# KiCad board panel.opm-inline.kicad_pcb (continued)
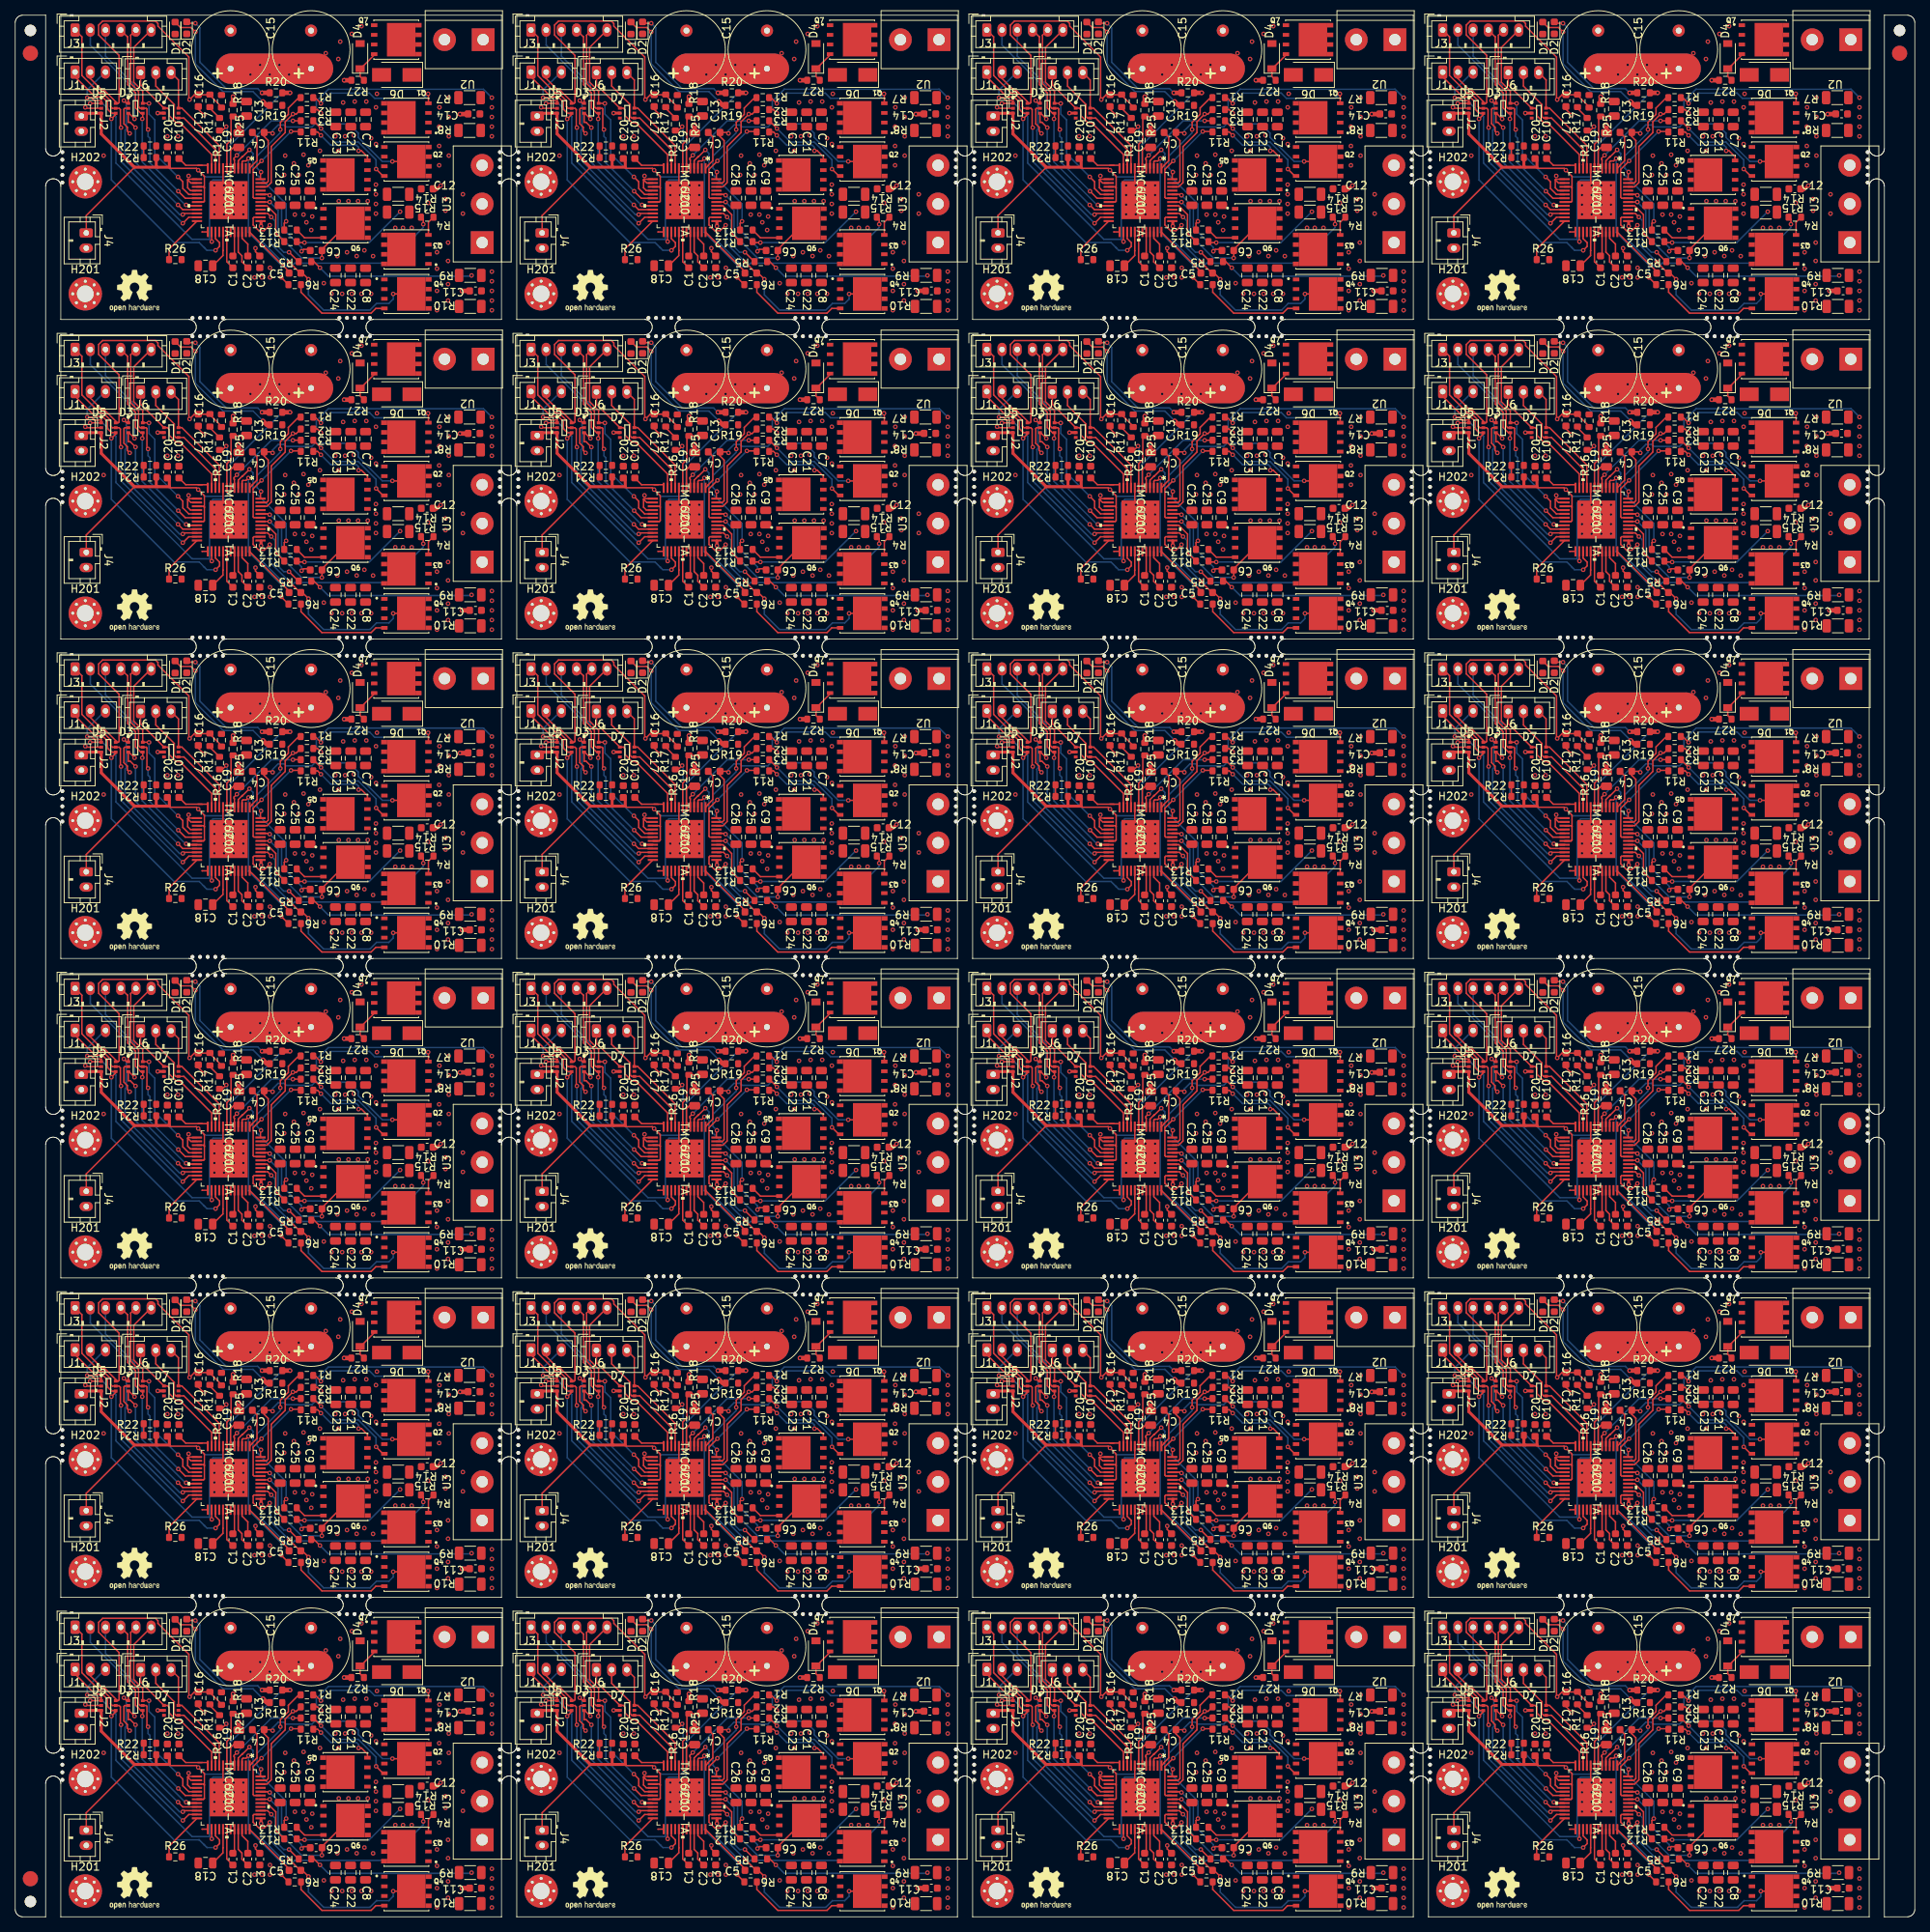
[diagram p0: board, top side]
## Copper pours and planes (outline as drawn; the poured copper is in the pictures) (continued)
Board_5-GND on In1.Cu: 123.23,168.32 66.08,168.32 66.08,207.69 123.23,207.69
Board_5-Net-(C4-Pad1) on Top: 118.95,186.46 110.06,186.46 110.12,190.58 113.74,190.65 113.74,195.73 115.2,195.66 115.2,198.2 119.01,198.2
Board_5-Net-(C4-Pad1) on Bottom: 118.95,186.46 110.06,186.46 110.12,190.58 113.74,190.65 113.74,195.73 115.2,195.66 115.2,198.2 119.01,198.2
Board_5-Net-(C5-Pad2) on Top: 119.08,168.3 109.93,168.3 109.93,173.76 113.74,173.76 113.74,178.46 115.14,178.46 115.14,180.62 119.08,180.62
Board_5-Net-(C5-Pad2) on Bottom: 119.08,168.3 109.93,168.3 109.93,173.76 113.74,173.76 113.74,178.46 115.14,178.46 115.14,180.62 119.08,180.62
Board_5-Net-(C6-Pad1) on Top: 107.14,187.35 107.77,187.35 107.77,185.7 109.55,185.7 109.55,181 107.27,181 107.27,178.46 101.68,178.46 101.68,184.04 105.49,184.04 105.49,188.24 107.14,188.24
Board_5-Net-(C6-Pad1) on Bottom: 107.14,187.35 107.77,187.35 107.77,185.7 109.55,185.7 109.55,181 107.27,181 107.27,178.46 101.68,178.46 101.68,184.04 105.49,184.04 105.49,188.24 107.14,188.24
Board_5-Net-(D6-Pad2) on Top: 118.82,201.82 111.61,201.82 110.31,201.32 110.31,198.65 106.63,198.65 106.63,201.32 107.77,202.03 107.77,207.16 118.82,207.16
Board_6-/+VM on Top: 167.85,203.35 165.82,203.35 160.74,199.16 158.2,200.43 157.69,202.33 165.06,207.29 167.85,207.29
Board_6-/+VM on Top: 173.31,191.79 167.72,191.79 167.72,194.59 160.48,194.59 160.48,198.27 173.31,198.27
Board_6-/+VM on Top: 173.06,174.14 160.99,174.14 160.99,177.82 167.6,177.95 167.6,180.74 173.06,180.62
Board_6-/+VM on Top: 154.1,173 149.74,173 149.74,175.54 154.1,175.54
Board_6-/+VM on Top: 165.09,184.43 153.37,184.43 153.37,190.78 165.09,190.78
Board_6-/+VM on Bottom: 165.09,184.43 153.37,184.43 153.37,190.78 165.09,190.78
Board_6-/+VM on Bottom: 173.06,174.14 160.99,174.14 160.99,177.82 167.6,177.95 167.6,180.74 173.06,180.62
Board_6-/+VM on Bottom: 167.82,203.35 165.79,203.35 160.71,199.16 158.17,200.43 157.66,202.33 165.03,207.29 167.82,207.29
Board_6-/+VM on Bottom: 173.31,191.79 167.72,191.79 167.72,194.59 160.48,194.59 164.04,198.27 173.31,198.14
Board_6-/+VM on In1.Cu: 167.58,203.4 165.55,203.4 159.09,199.03 157.93,200.48 157.42,202.39 164.79,207.34 167.58,207.34
Board_6-/+VM on In2.Cu: 183.18,168.32 126.03,168.32 126.03,207.69 183.18,207.69
Board_6-/U on Top: 183.85,186.1 179.15,186.08 179.15,198.78 183.85,198.8
Board_6-/U on Bottom: 183.85,186.1 179.15,186.08 179.15,198.78 183.85,198.8
Board_6-/V on Top: 183.85,180.82 167.34,180.82 167.34,185.9 183.85,185.9
Board_6-/V on Bottom: 183.85,180.82 167.34,180.82 167.34,185.9 183.85,185.9
Board_6-/W on Top: 183.85,167.92 179.53,168.04 179.53,180.74 183.85,180.62
Board_6-/W on Bottom: 183.85,167.92 179.53,167.92 179.53,180.62 183.85,180.62
Board_6-GND on Top: 183.18,168.32 126.03,168.32 126.03,207.69 183.18,207.69
Board_6-GND on Top: 167.34,192.05 169.63,192.05 169.63,187.6 167.22,187.6 167.22,190.01 165.44,190.01 165.44,191.03 160.23,191.03 160.23,194.2 167.34,194.2
Board_6-GND on Top: 161.12,179.35 157.82,179.35 157.82,180.23 157.44,180.62 156.29,180.62 156.29,181.25 155.66,181.63 154.77,181.5 154.77,181.89 154.39,182.39 153.88,182.39 153.88,183.92 161.12,183.92
Board_6-GND on Bottom: 183.18,168.3 126.03,168.3 126.03,207.67 183.18,207.67
Board_6-GND on Bottom: 161.12,179.35 157.82,179.35 157.82,180.23 157.44,180.62 156.29,180.62 156.29,181.25 155.66,181.63 154.77,181.5 154.77,181.89 154.39,182.39 153.88,182.39 153.88,183.92 161.12,183.92
Board_6-GND on In1.Cu: 183.18,168.32 126.03,168.32 126.03,207.69 183.18,207.69
Board_6-Net-(C4-Pad1) on Top: 178.9,186.46 170.01,186.46 170.07,190.58 173.69,190.65 173.69,195.73 175.15,195.66 175.15,198.2 178.96,198.2
Board_6-Net-(C4-Pad1) on Bottom: 178.9,186.46 170.01,186.46 170.07,190.58 173.69,190.65 173.69,195.73 175.15,195.66 175.15,198.2 178.96,198.2
Board_6-Net-(C5-Pad2) on Top: 179.03,168.3 169.88,168.3 169.88,173.76 173.69,173.76 173.69,178.46 175.09,178.46 175.09,180.62 179.03,180.62
Board_6-Net-(C5-Pad2) on Bottom: 179.03,168.3 169.88,168.3 169.88,173.76 173.69,173.76 173.69,178.46 175.09,178.46 175.09,180.62 179.03,180.62
Board_6-Net-(C6-Pad1) on Top: 167.09,187.35 167.72,187.35 167.72,185.7 169.5,185.7 169.5,181 167.22,181 167.22,178.46 161.63,178.46 161.63,184.04 165.44,184.04 165.44,188.24 167.09,188.24
Board_6-Net-(C6-Pad1) on Bottom: 167.09,187.35 167.72,187.35 167.72,185.7 169.5,185.7 169.5,181 167.22,181 167.22,178.46 161.63,178.46 161.63,184.04 165.44,184.04 165.44,188.24 167.09,188.24
Board_6-Net-(D6-Pad2) on Top: 178.77,201.82 171.56,201.82 170.26,201.32 170.26,198.65 166.58,198.65 166.58,201.32 167.72,202.03 167.72,207.16 178.77,207.16
Board_7-/+VM on Top: 227.8,203.35 225.77,203.35 220.69,199.16 218.15,200.43 217.64,202.33 225.01,207.29 227.8,207.29
Board_7-/+VM on Top: 233.26,191.79 227.67,191.79 227.67,194.59 220.43,194.59 220.43,198.27 233.26,198.27
Board_7-/+VM on Top: 233.01,174.14 220.94,174.14 220.94,177.82 227.55,177.95 227.55,180.74 233.01,180.62
Board_7-/+VM on Top: 214.05,173 209.69,173 209.69,175.54 214.05,175.54
Board_7-/+VM on Top: 225.04,184.43 213.32,184.43 213.32,190.78 225.04,190.78
Board_7-/+VM on Bottom: 225.04,184.43 213.32,184.43 213.32,190.78 225.04,190.78
Board_7-/+VM on Bottom: 233.01,174.14 220.94,174.14 220.94,177.82 227.55,177.95 227.55,180.74 233.01,180.62
Board_7-/+VM on Bottom: 227.77,203.35 225.74,203.35 220.66,199.16 218.12,200.43 217.61,202.33 224.98,207.29 227.77,207.29
Board_7-/+VM on Bottom: 233.26,191.79 227.67,191.79 227.67,194.59 220.43,194.59 223.99,198.27 233.26,198.14
Board_7-/+VM on In1.Cu: 227.53,203.4 225.5,203.4 219.04,199.03 217.88,200.48 217.37,202.39 224.74,207.34 227.53,207.34
Board_7-/+VM on In2.Cu: 243.13,168.32 185.98,168.32 185.98,207.69 243.13,207.69
Board_7-/U on Top: 243.8,186.1 239.1,186.08 239.1,198.78 243.8,198.8
Board_7-/U on Bottom: 243.8,186.1 239.1,186.08 239.1,198.78 243.8,198.8
Board_7-/V on Top: 243.8,180.82 227.29,180.82 227.29,185.9 243.8,185.9
Board_7-/V on Bottom: 243.8,180.82 227.29,180.82 227.29,185.9 243.8,185.9
Board_7-/W on Top: 243.8,167.92 239.48,168.04 239.48,180.74 243.8,180.62
Board_7-/W on Bottom: 243.8,167.92 239.48,167.92 239.48,180.62 243.8,180.62
Board_7-GND on Top: 243.13,168.32 185.98,168.32 185.98,207.69 243.13,207.69
Board_7-GND on Top: 227.29,192.05 229.58,192.05 229.58,187.6 227.17,187.6 227.17,190.01 225.39,190.01 225.39,191.03 220.18,191.03 220.18,194.2 227.29,194.2
Board_7-GND on Top: 221.07,179.35 217.77,179.35 217.77,180.23 217.39,180.62 216.24,180.62 216.24,181.25 215.61,181.63 214.72,181.5 214.72,181.89 214.34,182.39 213.83,182.39 213.83,183.92 221.07,183.92
Board_7-GND on Bottom: 243.13,168.3 185.98,168.3 185.98,207.67 243.13,207.67
Board_7-GND on Bottom: 221.07,179.35 217.77,179.35 217.77,180.23 217.39,180.62 216.24,180.62 216.24,181.25 215.61,181.63 214.72,181.5 214.72,181.89 214.34,182.39 213.83,182.39 213.83,183.92 221.07,183.92
Board_7-GND on In1.Cu: 243.13,168.32 185.98,168.32 185.98,207.69 243.13,207.69
Board_7-Net-(C4-Pad1) on Top: 238.85,186.46 229.96,186.46 230.02,190.58 233.64,190.65 233.64,195.73 235.1,195.66 235.1,198.2 238.91,198.2
Board_7-Net-(C4-Pad1) on Bottom: 238.85,186.46 229.96,186.46 230.02,190.58 233.64,190.65 233.64,195.73 235.1,195.66 235.1,198.2 238.91,198.2
Board_7-Net-(C5-Pad2) on Top: 238.98,168.3 229.83,168.3 229.83,173.76 233.64,173.76 233.64,178.46 235.04,178.46 235.04,180.62 238.98,180.62
Board_7-Net-(C5-Pad2) on Bottom: 238.98,168.3 229.83,168.3 229.83,173.76 233.64,173.76 233.64,178.46 235.04,178.46 235.04,180.62 238.98,180.62
Board_7-Net-(C6-Pad1) on Top: 227.04,187.35 227.67,187.35 227.67,185.7 229.45,185.7 229.45,181 227.17,181 227.17,178.46 221.58,178.46 221.58,184.04 225.39,184.04 225.39,188.24 227.04,188.24
Board_7-Net-(C6-Pad1) on Bottom: 227.04,187.35 227.67,187.35 227.67,185.7 229.45,185.7 229.45,181 227.17,181 227.17,178.46 221.58,178.46 221.58,184.04 225.39,184.04 225.39,188.24 227.04,188.24
Board_7-Net-(D6-Pad2) on Top: 238.72,201.82 231.51,201.82 230.21,201.32 230.21,198.65 226.53,198.65 226.53,201.32 227.67,202.03 227.67,207.16 238.72,207.16
Board_8-/+VM on Top: 47.95,161.36 45.92,161.36 40.84,157.17 38.3,158.44 37.79,160.34 45.16,165.3 47.95,165.3
Board_8-/+VM on Top: 53.41,149.8 47.82,149.8 47.82,152.6 40.58,152.6 40.58,156.28 53.41,156.28
Board_8-/+VM on Top: 53.16,132.15 41.09,132.15 41.09,135.83 47.7,135.96 47.7,138.75 53.16,138.63
Board_8-/+VM on Top: 34.2,131.01 29.84,131.01 29.84,133.55 34.2,133.55
Board_8-/+VM on Top: 45.19,142.44 33.47,142.44 33.47,148.79 45.19,148.79
Board_8-/+VM on Bottom: 45.19,142.44 33.47,142.44 33.47,148.79 45.19,148.79
Board_8-/+VM on Bottom: 53.16,132.15 41.09,132.15 41.09,135.83 47.7,135.96 47.7,138.75 53.16,138.63
Board_8-/+VM on Bottom: 47.92,161.36 45.89,161.36 40.81,157.17 38.27,158.44 37.76,160.34 45.13,165.3 47.92,165.3
Board_8-/+VM on Bottom: 53.41,149.8 47.82,149.8 47.82,152.6 40.58,152.6 44.14,156.28 53.41,156.15
Board_8-/+VM on In1.Cu: 47.68,161.41 45.65,161.41 39.19,157.04 38.03,158.49 37.52,160.4 44.89,165.35 47.68,165.35
Board_8-/+VM on In2.Cu: 63.28,126.33 6.13,126.33 6.13,165.7 63.28,165.7
Board_8-/U on Top: 63.95,144.11 59.25,144.09 59.25,156.79 63.95,156.81
Board_8-/U on Bottom: 63.95,144.11 59.25,144.09 59.25,156.79 63.95,156.81
Board_8-/V on Top: 63.95,138.83 47.44,138.83 47.44,143.91 63.95,143.91
Board_8-/V on Bottom: 63.95,138.83 47.44,138.83 47.44,143.91 63.95,143.91
Board_8-/W on Top: 63.95,125.93 59.63,126.05 59.63,138.75 63.95,138.63
Board_8-/W on Bottom: 63.95,125.93 59.63,125.93 59.63,138.63 63.95,138.63
Board_8-GND on Top: 63.28,126.33 6.13,126.33 6.13,165.7 63.28,165.7
Board_8-GND on Top: 47.44,150.06 49.73,150.06 49.73,145.61 47.31,145.61 47.31,148.02 45.54,148.02 45.54,149.04 40.33,149.04 40.33,152.21 47.44,152.21
Board_8-GND on Top: 41.22,137.36 37.92,137.36 37.92,138.24 37.54,138.63 36.39,138.63 36.39,139.26 35.76,139.64 34.87,139.51 34.87,139.9 34.49,140.4 33.98,140.4 33.98,141.93 41.22,141.93
Board_8-GND on Bottom: 63.28,126.31 6.13,126.31 6.13,165.68 63.28,165.68
Board_8-GND on Bottom: 41.22,137.36 37.92,137.36 37.92,138.24 37.54,138.63 36.39,138.63 36.39,139.26 35.76,139.64 34.87,139.51 34.87,139.9 34.49,140.4 33.98,140.4 33.98,141.93 41.22,141.93
Board_8-GND on In1.Cu: 63.28,126.33 6.13,126.33 6.13,165.7 63.28,165.7
Board_8-Net-(C4-Pad1) on Top: 59,144.47 50.11,144.47 50.17,148.59 53.79,148.66 53.79,153.74 55.25,153.67 55.25,156.21 59.06,156.21
Board_8-Net-(C4-Pad1) on Bottom: 59,144.47 50.11,144.47 50.17,148.59 53.79,148.66 53.79,153.74 55.25,153.67 55.25,156.21 59.06,156.21
Board_8-Net-(C5-Pad2) on Top: 59.13,126.31 49.98,126.31 49.98,131.77 53.79,131.77 53.79,136.47 55.19,136.47 55.19,138.63 59.13,138.63
Board_8-Net-(C5-Pad2) on Bottom: 59.13,126.31 49.98,126.31 49.98,131.77 53.79,131.77 53.79,136.47 55.19,136.47 55.19,138.63 59.13,138.63
Board_8-Net-(C6-Pad1) on Top: 47.19,145.36 47.82,145.36 47.82,143.71 49.6,143.71 49.6,139.01 47.31,139.01 47.31,136.47 41.73,136.47 41.73,142.05 45.54,142.05 45.54,146.25 47.19,146.25
Board_8-Net-(C6-Pad1) on Bottom: 47.19,145.36 47.82,145.36 47.82,143.71 49.6,143.71 49.6,139.01 47.31,139.01 47.31,136.47 41.73,136.47 41.73,142.05 45.54,142.05 45.54,146.25 47.19,146.25
Board_8-Net-(D6-Pad2) on Top: 58.87,159.83 51.66,159.83 50.36,159.33 50.36,156.66 46.68,156.66 46.68,159.33 47.82,160.04 47.82,165.17 58.87,165.17
Board_9-/+VM on Top: 107.9,161.36 105.87,161.36 100.79,157.17 98.25,158.44 97.74,160.34 105.11,165.3 107.9,165.3
Board_9-/+VM on Top: 113.36,149.8 107.77,149.8 107.77,152.6 100.53,152.6 100.53,156.28 113.36,156.28
Board_9-/+VM on Top: 113.11,132.15 101.04,132.15 101.04,135.83 107.65,135.96 107.65,138.75 113.11,138.63
Board_9-/+VM on Top: 94.15,131.01 89.79,131.01 89.79,133.55 94.15,133.55
Board_9-/+VM on Top: 105.14,142.44 93.42,142.44 93.42,148.79 105.14,148.79
Board_9-/+VM on Bottom: 105.14,142.44 93.42,142.44 93.42,148.79 105.14,148.79
Board_9-/+VM on Bottom: 113.11,132.15 101.04,132.15 101.04,135.83 107.65,135.96 107.65,138.75 113.11,138.63
Board_9-/+VM on Bottom: 107.87,161.36 105.84,161.36 100.76,157.17 98.22,158.44 97.71,160.34 105.08,165.3 107.87,165.3
Board_9-/+VM on Bottom: 113.36,149.8 107.77,149.8 107.77,152.6 100.53,152.6 104.09,156.28 113.36,156.15
Board_9-/+VM on In1.Cu: 107.63,161.41 105.6,161.41 99.14,157.04 97.98,158.49 97.47,160.4 104.84,165.35 107.63,165.35
Board_9-/+VM on In2.Cu: 123.23,126.33 66.08,126.33 66.08,165.7 123.23,165.7
Board_9-/U on Top: 123.9,144.11 119.2,144.09 119.2,156.79 123.9,156.81
Board_9-/U on Bottom: 123.9,144.11 119.2,144.09 119.2,156.79 123.9,156.81
Board_9-/V on Top: 123.9,138.83 107.39,138.83 107.39,143.91 123.9,143.91
Board_9-/V on Bottom: 123.9,138.83 107.39,138.83 107.39,143.91 123.9,143.91
Board_9-/W on Top: 123.9,125.93 119.58,126.05 119.58,138.75 123.9,138.63
Board_9-/W on Bottom: 123.9,125.93 119.58,125.93 119.58,138.63 123.9,138.63
Board_9-GND on Top: 123.23,126.33 66.08,126.33 66.08,165.7 123.23,165.7
Board_9-GND on Top: 107.39,150.06 109.68,150.06 109.68,145.61 107.27,145.61 107.27,148.02 105.49,148.02 105.49,149.04 100.28,149.04 100.28,152.21 107.39,152.21
Board_9-GND on Top: 101.17,137.36 97.87,137.36 97.87,138.24 97.49,138.63 96.34,138.63 96.34,139.26 95.71,139.64 94.82,139.51 94.82,139.9 94.44,140.4 93.93,140.4 93.93,141.93 101.17,141.93
Board_9-GND on Bottom: 123.23,126.31 66.08,126.31 66.08,165.68 123.23,165.68
Board_9-GND on Bottom: 101.17,137.36 97.87,137.36 97.87,138.24 97.49,138.63 96.34,138.63 96.34,139.26 95.71,139.64 94.82,139.51 94.82,139.9 94.44,140.4 93.93,140.4 93.93,141.93 101.17,141.93
Board_9-GND on In1.Cu: 123.23,126.33 66.08,126.33 66.08,165.7 123.23,165.7
Board_9-Net-(C4-Pad1) on Top: 118.95,144.47 110.06,144.47 110.12,148.59 113.74,148.66 113.74,153.74 115.2,153.67 115.2,156.21 119.01,156.21
Board_9-Net-(C4-Pad1) on Bottom: 118.95,144.47 110.06,144.47 110.12,148.59 113.74,148.66 113.74,153.74 115.2,153.67 115.2,156.21 119.01,156.21
Board_9-Net-(C5-Pad2) on Top: 119.08,126.31 109.93,126.31 109.93,131.77 113.74,131.77 113.74,136.47 115.14,136.47 115.14,138.63 119.08,138.63
Board_9-Net-(C5-Pad2) on Bottom: 119.08,126.31 109.93,126.31 109.93,131.77 113.74,131.77 113.74,136.47 115.14,136.47 115.14,138.63 119.08,138.63
Board_9-Net-(C6-Pad1) on Top: 107.14,145.36 107.77,145.36 107.77,143.71 109.55,143.71 109.55,139.01 107.27,139.01 107.27,136.47 101.68,136.47 101.68,142.05 105.49,142.05 105.49,146.25 107.14,146.25
Board_9-Net-(C6-Pad1) on Bottom: 107.14,145.36 107.77,145.36 107.77,143.71 109.55,143.71 109.55,139.01 107.27,139.01 107.27,136.47 101.68,136.47 101.68,142.05 105.49,142.05 105.49,146.25 107.14,146.25
Board_9-Net-(D6-Pad2) on Top: 118.82,159.83 111.61,159.83 110.31,159.33 110.31,156.66 106.63,156.66 106.63,159.33 107.77,160.04 107.77,165.17 118.82,165.17
Board_10-/+VM on Top: 167.85,161.36 165.82,161.36 160.74,157.17 158.2,158.44 157.69,160.34 165.06,165.3 167.85,165.3
Board_10-/+VM on Top: 173.31,149.8 167.72,149.8 167.72,152.6 160.48,152.6 160.48,156.28 173.31,156.28
Board_10-/+VM on Top: 173.06,132.15 160.99,132.15 160.99,135.83 167.6,135.96 167.6,138.75 173.06,138.63
Board_10-/+VM on Top: 154.1,131.01 149.74,131.01 149.74,133.55 154.1,133.55
Board_10-/+VM on Top: 165.09,142.44 153.37,142.44 153.37,148.79 165.09,148.79
Board_10-/+VM on Bottom: 165.09,142.44 153.37,142.44 153.37,148.79 165.09,148.79
Board_10-/+VM on Bottom: 173.06,132.15 160.99,132.15 160.99,135.83 167.6,135.96 167.6,138.75 173.06,138.63
Board_10-/+VM on Bottom: 167.82,161.36 165.79,161.36 160.71,157.17 158.17,158.44 157.66,160.34 165.03,165.3 167.82,165.3
Board_10-/+VM on Bottom: 173.31,149.8 167.72,149.8 167.72,152.6 160.48,152.6 164.04,156.28 173.31,156.15
Board_10-/+VM on In1.Cu: 167.58,161.41 165.55,161.41 159.09,157.04 157.93,158.49 157.42,160.4 164.79,165.35 167.58,165.35
Board_10-/+VM on In2.Cu: 183.18,126.33 126.03,126.33 126.03,165.7 183.18,165.7
Board_10-/U on Top: 183.85,144.11 179.15,144.09 179.15,156.79 183.85,156.81
Board_10-/U on Bottom: 183.85,144.11 179.15,144.09 179.15,156.79 183.85,156.81
Board_10-/V on Top: 183.85,138.83 167.34,138.83 167.34,143.91 183.85,143.91
Board_10-/V on Bottom: 183.85,138.83 167.34,138.83 167.34,143.91 183.85,143.91
Board_10-/W on Top: 183.85,125.93 179.53,126.05 179.53,138.75 183.85,138.63
Board_10-/W on Bottom: 183.85,125.93 179.53,125.93 179.53,138.63 183.85,138.63
Board_10-GND on Top: 183.18,126.33 126.03,126.33 126.03,165.7 183.18,165.7
Board_10-GND on Top: 167.34,150.06 169.63,150.06 169.63,145.61 167.22,145.61 167.22,148.02 165.44,148.02 165.44,149.04 160.23,149.04 160.23,152.21 167.34,152.21
Board_10-GND on Top: 161.12,137.36 157.82,137.36 157.82,138.24 157.44,138.63 156.29,138.63 156.29,139.26 155.66,139.64 154.77,139.51 154.77,139.9 154.39,140.4 153.88,140.4 153.88,141.93 161.12,141.93
Board_10-GND on Bottom: 183.18,126.31 126.03,126.31 126.03,165.68 183.18,165.68
Board_10-GND on Bottom: 161.12,137.36 157.82,137.36 157.82,138.24 157.44,138.63 156.29,138.63 156.29,139.26 155.66,139.64 154.77,139.51 154.77,139.9 154.39,140.4 153.88,140.4 153.88,141.93 161.12,141.93
Board_10-GND on In1.Cu: 183.18,126.33 126.03,126.33 126.03,165.7 183.18,165.7
Board_10-Net-(C4-Pad1) on Top: 178.9,144.47 170.01,144.47 170.07,148.59 173.69,148.66 173.69,153.74 175.15,153.67 175.15,156.21 178.96,156.21
Board_10-Net-(C4-Pad1) on Bottom: 178.9,144.47 170.01,144.47 170.07,148.59 173.69,148.66 173.69,153.74 175.15,153.67 175.15,156.21 178.96,156.21
Board_10-Net-(C5-Pad2) on Top: 179.03,126.31 169.88,126.31 169.88,131.77 173.69,131.77 173.69,136.47 175.09,136.47 175.09,138.63 179.03,138.63
Board_10-Net-(C5-Pad2) on Bottom: 179.03,126.31 169.88,126.31 169.88,131.77 173.69,131.77 173.69,136.47 175.09,136.47 175.09,138.63 179.03,138.63
Board_10-Net-(C6-Pad1) on Top: 167.09,145.36 167.72,145.36 167.72,143.71 169.5,143.71 169.5,139.01 167.22,139.01 167.22,136.47 161.63,136.47 161.63,142.05 165.44,142.05 165.44,146.25 167.09,146.25
Board_10-Net-(C6-Pad1) on Bottom: 167.09,145.36 167.72,145.36 167.72,143.71 169.5,143.71 169.5,139.01 167.22,139.01 167.22,136.47 161.63,136.47 161.63,142.05 165.44,142.05 165.44,146.25 167.09,146.25
Board_10-Net-(D6-Pad2) on Top: 178.77,159.83 171.56,159.83 170.26,159.33 170.26,156.66 166.58,156.66 166.58,159.33 167.72,160.04 167.72,165.17 178.77,165.17
Board_11-/+VM on Top: 227.8,161.36 225.77,161.36 220.69,157.17 218.15,158.44 217.64,160.34 225.01,165.3 227.8,165.3
Board_11-/+VM on Top: 233.26,149.8 227.67,149.8 227.67,152.6 220.43,152.6 220.43,156.28 233.26,156.28
Board_11-/+VM on Top: 233.01,132.15 220.94,132.15 220.94,135.83 227.55,135.96 227.55,138.75 233.01,138.63
Board_11-/+VM on Top: 214.05,131.01 209.69,131.01 209.69,133.55 214.05,133.55
Board_11-/+VM on Top: 225.04,142.44 213.32,142.44 213.32,148.79 225.04,148.79
Board_11-/+VM on Bottom: 225.04,142.44 213.32,142.44 213.32,148.79 225.04,148.79
Board_11-/+VM on Bottom: 233.01,132.15 220.94,132.15 220.94,135.83 227.55,135.96 227.55,138.75 233.01,138.63
Board_11-/+VM on Bottom: 227.77,161.36 225.74,161.36 220.66,157.17 218.12,158.44 217.61,160.34 224.98,165.3 227.77,165.3
Board_11-/+VM on Bottom: 233.26,149.8 227.67,149.8 227.67,152.6 220.43,152.6 223.99,156.28 233.26,156.15
Board_11-/+VM on In1.Cu: 227.53,161.41 225.5,161.41 219.04,157.04 217.88,158.49 217.37,160.4 224.74,165.35 227.53,165.35
Board_11-/+VM on In2.Cu: 243.13,126.33 185.98,126.33 185.98,165.7 243.13,165.7
Board_11-/U on Top: 243.8,144.11 239.1,144.09 239.1,156.79 243.8,156.81
Board_11-/U on Bottom: 243.8,144.11 239.1,144.09 239.1,156.79 243.8,156.81
Board_11-/V on Top: 243.8,138.83 227.29,138.83 227.29,143.91 243.8,143.91
Board_11-/V on Bottom: 243.8,138.83 227.29,138.83 227.29,143.91 243.8,143.91
Board_11-/W on Top: 243.8,125.93 239.48,126.05 239.48,138.75 243.8,138.63
Board_11-/W on Bottom: 243.8,125.93 239.48,125.93 239.48,138.63 243.8,138.63
Board_11-GND on Top: 243.13,126.33 185.98,126.33 185.98,165.7 243.13,165.7
Board_11-GND on Top: 227.29,150.06 229.58,150.06 229.58,145.61 227.17,145.61 227.17,148.02 225.39,148.02 225.39,149.04 220.18,149.04 220.18,152.21 227.29,152.21
Board_11-GND on Top: 221.07,137.36 217.77,137.36 217.77,138.24 217.39,138.63 216.24,138.63 216.24,139.26 215.61,139.64 214.72,139.51 214.72,139.9 214.34,140.4 213.83,140.4 213.83,141.93 221.07,141.93
Board_11-GND on Bottom: 243.13,126.31 185.98,126.31 185.98,165.68 243.13,165.68
Board_11-GND on Bottom: 221.07,137.36 217.77,137.36 217.77,138.24 217.39,138.63 216.24,138.63 216.24,139.26 215.61,139.64 214.72,139.51 214.72,139.9 214.34,140.4 213.83,140.4 213.83,141.93 221.07,141.93
Board_11-GND on In1.Cu: 243.13,126.33 185.98,126.33 185.98,165.7 243.13,165.7
Board_11-Net-(C4-Pad1) on Top: 238.85,144.47 229.96,144.47 230.02,148.59 233.64,148.66 233.64,153.74 235.1,153.67 235.1,156.21 238.91,156.21
Board_11-Net-(C4-Pad1) on Bottom: 238.85,144.47 229.96,144.47 230.02,148.59 233.64,148.66 233.64,153.74 235.1,153.67 235.1,156.21 238.91,156.21
Board_11-Net-(C5-Pad2) on Top: 238.98,126.31 229.83,126.31 229.83,131.77 233.64,131.77 233.64,136.47 235.04,136.47 235.04,138.63 238.98,138.63
Board_11-Net-(C5-Pad2) on Bottom: 238.98,126.31 229.83,126.31 229.83,131.77 233.64,131.77 233.64,136.47 235.04,136.47 235.04,138.63 238.98,138.63
Board_11-Net-(C6-Pad1) on Top: 227.04,145.36 227.67,145.36 227.67,143.71 229.45,143.71 229.45,139.01 227.17,139.01 227.17,136.47 221.58,136.47 221.58,142.05 225.39,142.05 225.39,146.25 227.04,146.25
Board_11-Net-(C6-Pad1) on Bottom: 227.04,145.36 227.67,145.36 227.67,143.71 229.45,143.71 229.45,139.01 227.17,139.01 227.17,136.47 221.58,136.47 221.58,142.05 225.39,142.05 225.39,146.25 227.04,146.25
Board_11-Net-(D6-Pad2) on Top: 238.72,159.83 231.51,159.83 230.21,159.33 230.21,156.66 226.53,156.66 226.53,159.33 227.67,160.04 227.67,165.17 238.72,165.17
Board_12-/+VM on Top: 47.95,119.37 45.92,119.37 40.84,115.18 38.3,116.45 37.79,118.35 45.16,123.31 47.95,123.31
Board_12-/+VM on Top: 53.41,107.81 47.82,107.81 47.82,110.61 40.58,110.61 40.58,114.29 53.41,114.29
Board_12-/+VM on Top: 53.16,90.16 41.09,90.16 41.09,93.84 47.7,93.97 47.7,96.76 53.16,96.64
Board_12-/+VM on Top: 34.2,89.02 29.84,89.02 29.84,91.56 34.2,91.56
Board_12-/+VM on Top: 45.19,100.45 33.47,100.45 33.47,106.8 45.19,106.8
Board_12-/+VM on Bottom: 45.19,100.45 33.47,100.45 33.47,106.8 45.19,106.8
Board_12-/+VM on Bottom: 53.16,90.16 41.09,90.16 41.09,93.84 47.7,93.97 47.7,96.76 53.16,96.64
Board_12-/+VM on Bottom: 47.92,119.37 45.89,119.37 40.81,115.18 38.27,116.45 37.76,118.35 45.13,123.31 47.92,123.31
Board_12-/+VM on Bottom: 53.41,107.81 47.82,107.81 47.82,110.61 40.58,110.61 44.14,114.29 53.41,114.16
Board_12-/+VM on In1.Cu: 47.68,119.42 45.65,119.42 39.19,115.05 38.03,116.5 37.52,118.41 44.89,123.36 47.68,123.36
Board_12-/+VM on In2.Cu: 63.28,84.34 6.13,84.34 6.13,123.71 63.28,123.71
Board_12-/U on Top: 63.95,102.12 59.25,102.1 59.25,114.8 63.95,114.82
Board_12-/U on Bottom: 63.95,102.12 59.25,102.1 59.25,114.8 63.95,114.82
Board_12-/V on Top: 63.95,96.84 47.44,96.84 47.44,101.92 63.95,101.92
Board_12-/V on Bottom: 63.95,96.84 47.44,96.84 47.44,101.92 63.95,101.92
Board_12-/W on Top: 63.95,83.94 59.63,84.06 59.63,96.76 63.95,96.64
Board_12-/W on Bottom: 63.95,83.94 59.63,83.94 59.63,96.64 63.95,96.64
Board_12-GND on Top: 63.28,84.34 6.13,84.34 6.13,123.71 63.28,123.71
Board_12-GND on Top: 47.44,108.07 49.73,108.07 49.73,103.62 47.31,103.62 47.31,106.03 45.54,106.03 45.54,107.05 40.33,107.05 40.33,110.22 47.44,110.22
Board_12-GND on Top: 41.22,95.37 37.92,95.37 37.92,96.25 37.54,96.64 36.39,96.64 36.39,97.27 35.76,97.65 34.87,97.52 34.87,97.91 34.49,98.41 33.98,98.41 33.98,99.94 41.22,99.94
Board_12-GND on Bottom: 63.28,84.32 6.13,84.32 6.13,123.69 63.28,123.69
Board_12-GND on Bottom: 41.22,95.37 37.92,95.37 37.92,96.25 37.54,96.64 36.39,96.64 36.39,97.27 35.76,97.65 34.87,97.52 34.87,97.91 34.49,98.41 33.98,98.41 33.98,99.94 41.22,99.94
Board_12-GND on In1.Cu: 63.28,84.34 6.13,84.34 6.13,123.71 63.28,123.71
Board_12-Net-(C4-Pad1) on Top: 59,102.48 50.11,102.48 50.17,106.6 53.79,106.67 53.79,111.75 55.25,111.68 55.25,114.22 59.06,114.22
Board_12-Net-(C4-Pad1) on Bottom: 59,102.48 50.11,102.48 50.17,106.6 53.79,106.67 53.79,111.75 55.25,111.68 55.25,114.22 59.06,114.22
Board_12-Net-(C5-Pad2) on Top: 59.13,84.32 49.98,84.32 49.98,89.78 53.79,89.78 53.79,94.48 55.19,94.48 55.19,96.64 59.13,96.64
Board_12-Net-(C5-Pad2) on Bottom: 59.13,84.32 49.98,84.32 49.98,89.78 53.79,89.78 53.79,94.48 55.19,94.48 55.19,96.64 59.13,96.64
Board_12-Net-(C6-Pad1) on Top: 47.19,103.37 47.82,103.37 47.82,101.72 49.6,101.72 49.6,97.02 47.31,97.02 47.31,94.48 41.73,94.48 41.73,100.06 45.54,100.06 45.54,104.26 47.19,104.26
Board_12-Net-(C6-Pad1) on Bottom: 47.19,103.37 47.82,103.37 47.82,101.72 49.6,101.72 49.6,97.02 47.31,97.02 47.31,94.48 41.73,94.48 41.73,100.06 45.54,100.06 45.54,104.26 47.19,104.26
Board_12-Net-(D6-Pad2) on Top: 58.87,117.84 51.66,117.84 50.36,117.34 50.36,114.67 46.68,114.67 46.68,117.34 47.82,118.05 47.82,123.18 58.87,123.18
